# Altium PCB JTAG-批量下载V06.PcbDoc (part 3 of 13)
Units mil, origin at the board's own origin, x right, y up, seen from the top; angles counter-clockwise.
Board outline 6380 x 5290 mil, 2 copper layers (Top Layer, Bottom Layer); 190 components, 238 nets, 1050 pads, 459 vias.
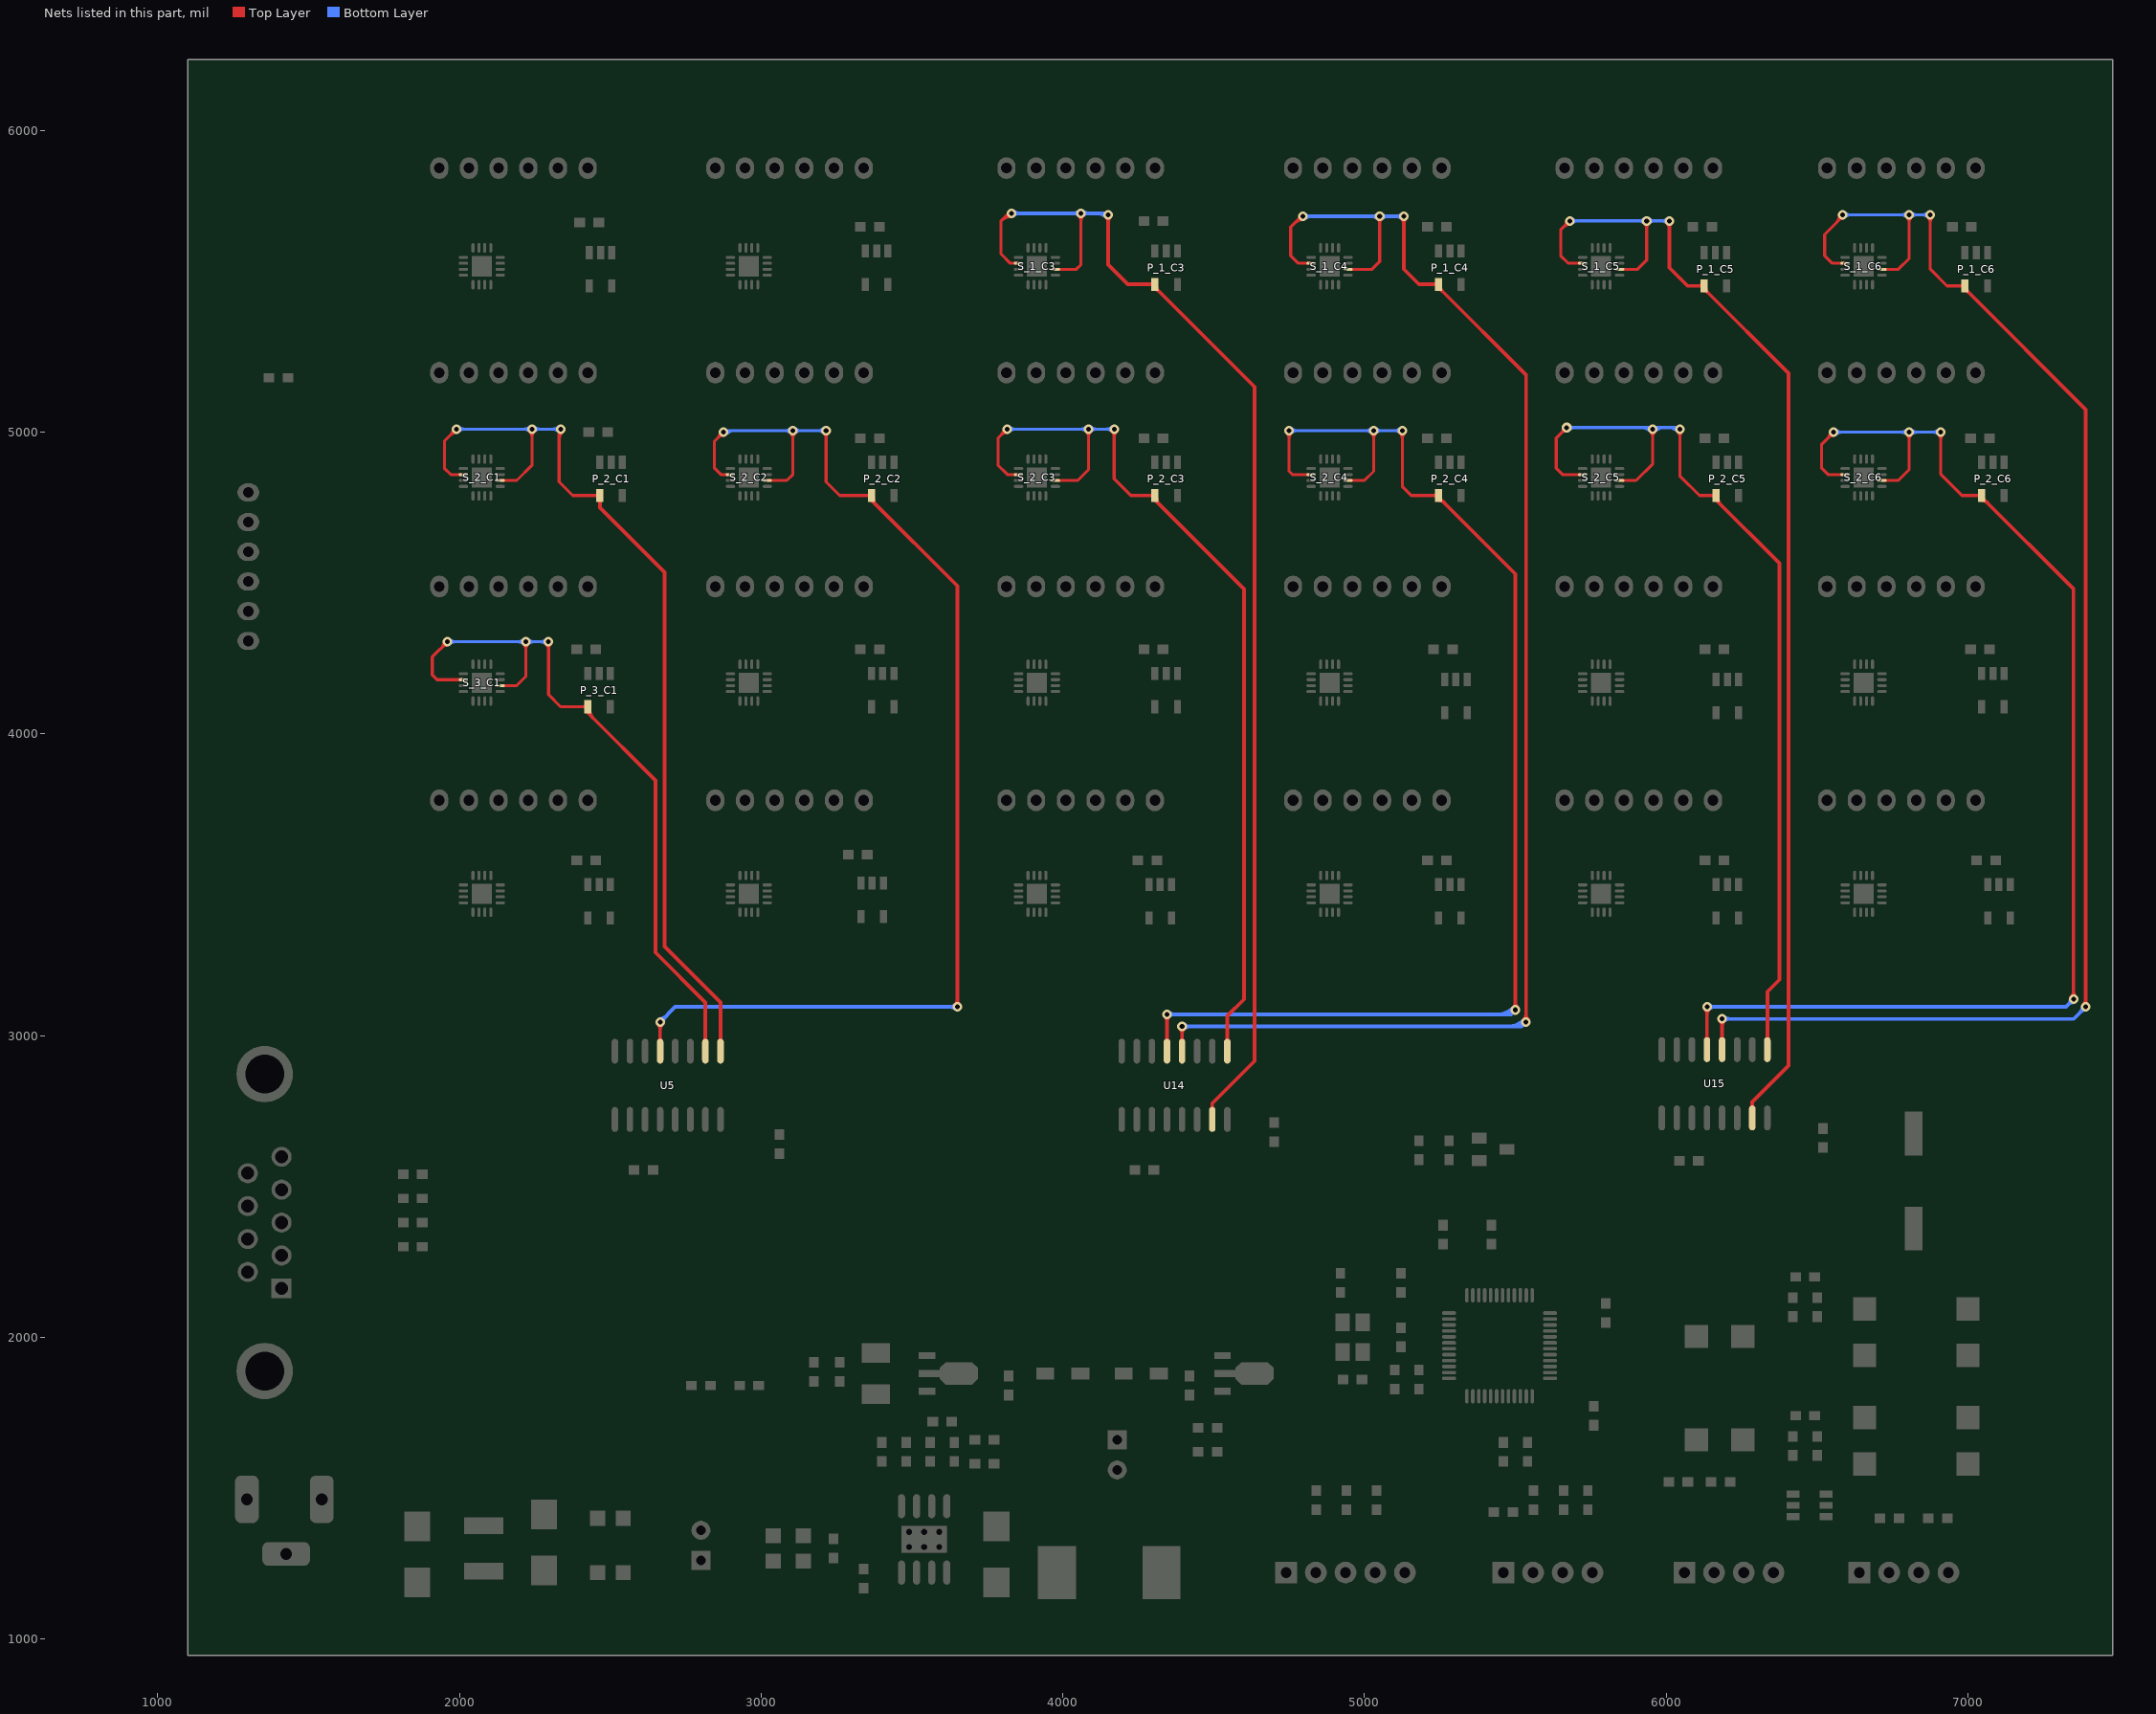
[diagram p3: the nets of this part, all layers, seen from the top]

## Via types
v1: diameter 32, hole 16, Top Layer to Bottom Layer, 347 vias
v2: diameter 50, hole 28, Top Layer to Bottom Layer, 63 vias
v3: diameter 40, hole 20, Top Layer to Bottom Layer, 49 vias

## Nets (pads, with @x,y where several pads share a name; then routed paths per layer and width w, separated by ;. In a path a pad name is that pad's centre, name@x,y a point inside that pad or via, vN(x,y) a via of type N, cw(c..) or ccw(c..) an arc to the next point about the centre after c; other vN are vias at no path point) (continued)
EN_1_C3: P_1_C3.4 S_1_C3.2 S_1_C3.10 U14.15 | length 5147.2
  Top Layer w10: v1@3830,5735 3795,5700 3795,5590 3825.63,5559.37 S_1_C3.10@3852.95,5559.37 ; S_1_C3.2@3975,5539.69 4044.68,5539.69 4060,5555 v1(4060,5725) ; 3794.15,5699.15 cw(c3830,5663.3) v1@3830,5714 ; 3794.15,5699.15 cw(c3830,5663.3) v1@3830,5714 ; 3794.15,5699.15 cw(c3830,5663.3) v1@3830,5714 ; 3811.22,5716.22 cw(c3830,5697.44) v1@3830,5724 ; 3811.22,5716.22 cw(c3830,5697.44) v1@3830,5724 ; 3811.22,5716.22 cw(c3830,5697.44) v1@3830,5724 ; v1@4052.22,5717.22 cw(c4033.44,5698.44) 4060,5698.44 ; v1@4052.22,5717.22 cw(c4033.44,5698.44) 4060,5698.44 ; v1@4052.22,5717.22 cw(c4033.44,5698.44) 4060,5698.44 ; 4060,5698.44 cw(c4086.56,5698.44) v1@4067.78,5717.22 ; 4060,5698.44 cw(c4086.56,5698.44) v1@4067.78,5717.22 ; 4060,5698.44 cw(c4086.56,5698.44) v1@4067.78,5717.22
  Top Layer w12: v1(4150,5720) 4150,5555 4215.24,5489.76 P_1_C3.4@4305.2,5489.76 4305.2,5479.8 4635,5150 4635,2915 4495,2775 U14.15@4495,2705 ; v1@4142.93,5712.93 cw(c4125.86,5695.86) 4150,5695.86 ; v1@4142.93,5712.93 cw(c4125.86,5695.86) 4150,5695.86 ; v1@4142.93,5712.93 cw(c4125.86,5695.86) 4150,5695.86 ; 4150,5695.86 cw(c4174.14,5695.86) v1@4157.07,5712.93 ; 4150,5695.86 cw(c4174.14,5695.86) v1@4157.07,5712.93 ; 4150,5695.86 cw(c4174.14,5695.86) v1@4157.07,5712.93 ; 4291.17,5489.76 ccw(c4291.17,5503.79) P_1_C3.4@4301.09,5493.87 ; 4291.17,5489.76 cw(c4291.17,5475.73) P_1_C3.4@4301.09,5485.65 ; 4291.17,5489.76 ccw(c4291.17,5503.79) P_1_C3.4@4301.09,5493.87 ; 4291.17,5489.76 cw(c4291.17,5475.73) P_1_C3.4@4301.09,5485.65 ; 4291.17,5489.76 ccw(c4291.17,5503.79) P_1_C3.4@4301.09,5493.87 ; 4291.17,5489.76 cw(c4291.17,5475.73) P_1_C3.4@4301.09,5485.65 ; P_1_C3.4@4305.2,5474.11 cw(c4305.2,5460.37) P_1_C3.4@4314.92,5470.08 ; P_1_C3.4@4305.2,5474.11 cw(c4305.2,5460.37) P_1_C3.4@4314.92,5470.08 ; P_1_C3.4@4305.2,5474.11 cw(c4305.2,5460.37) P_1_C3.4@4314.92,5470.08 ; P_1_C3.4@4311.01,5479.92 ccw(c4325.32,5479.92) P_1_C3.4@4315.2,5469.8 ; P_1_C3.4@4311.01,5479.92 ccw(c4325.32,5479.92) P_1_C3.4@4315.2,5469.8 ; P_1_C3.4@4311.01,5479.92 ccw(c4325.32,5479.92) P_1_C3.4@4315.2,5469.8 ; U14.15@4491.59,2755.74 ccw(c4483.35,2763.98) 4495,2763.98 ; U14.15@4491.59,2755.74 ccw(c4483.35,2763.98) 4495,2763.98 ; U14.15@4491.59,2755.74 ccw(c4483.35,2763.98) 4495,2763.98 ; 4495,2763.98 ccw(c4506.65,2763.98) U14.15@4498.41,2755.74 ; 4495,2763.98 ccw(c4506.65,2763.98) U14.15@4498.41,2755.74 ; 4495,2763.98 ccw(c4506.65,2763.98) U14.15@4498.41,2755.74
  Bottom Layer w12: v1(3830,5725) v1@4145,5725 ; v1@3837.07,5717.93 cw(c3854.14,5700.86) 3854.14,5725 ; v1@3837.07,5717.93 cw(c3854.14,5700.86) 3854.14,5725 ; v1@3837.07,5717.93 cw(c3854.14,5700.86) 3854.14,5725 ; v1@3837.07,5732.07 ccw(c3854.14,5749.14) 3854.14,5725 ; v1@3837.07,5732.07 ccw(c3854.14,5749.14) 3854.14,5725 ; v1@3837.07,5732.07 ccw(c3854.14,5749.14) 3854.14,5725 ; 4035.86,5725 ccw(c4035.86,5749.14) v1@4052.93,5732.07 ; 4035.86,5725 cw(c4035.86,5700.86) v1@4052.93,5717.93 ; 4035.86,5725 ccw(c4035.86,5749.14) v1@4052.93,5732.07 ; 4035.86,5725 cw(c4035.86,5700.86) v1@4052.93,5717.93 ; 4035.86,5725 ccw(c4035.86,5749.14) v1@4052.93,5732.07 ; 4035.86,5725 cw(c4035.86,5700.86) v1@4052.93,5717.93 ; v1@4067.07,5717.93 cw(c4084.14,5700.86) 4084.14,5725 ; v1@4067.07,5717.93 cw(c4084.14,5700.86) 4084.14,5725 ; v1@4067.07,5717.93 cw(c4084.14,5700.86) 4084.14,5725 ; v1@4067.07,5732.07 ccw(c4084.14,5749.14) 4084.14,5725 ; v1@4067.07,5732.07 ccw(c4084.14,5749.14) 4084.14,5725 ; v1@4067.07,5732.07 ccw(c4084.14,5749.14) 4084.14,5725 ; 4113.79,5725 cw(c4113.79,5683.79) 4142.93,5712.93 ccw(c4113.79,5683.79) 4113.79,5725
EN_1_C4: P_1_C4.4 S_1_C4.2 S_1_C4.10 U14.4 | length 6568.9
  Top Layer w10: v1@4795,5720 4755,5680 4755,5585 4780.63,5559.37 S_1_C4.10@4822.95,5559.37 ; S_1_C4.2@4945,5539.69 5024.69,5539.69 5050,5565 v1(5050,5715) ; 4767.69,5692.69 cw(c4795,5665.37) v1@4795,5704 ; 4767.69,5692.69 cw(c4795,5665.37) v1@4795,5704 ; 4767.69,5692.69 cw(c4795,5665.37) v1@4795,5704 ; 4779.76,5704.76 ccw(c4769.51,5715) v1@4784,5715 ; 4779.76,5704.76 ccw(c4769.51,5715) v1@4784,5715 ; 4779.76,5704.76 ccw(c4769.51,5715) v1@4784,5715 ; v1@5042.22,5707.22 cw(c5023.44,5688.44) 5050,5688.44 ; v1@5042.22,5707.22 cw(c5023.44,5688.44) 5050,5688.44 ; v1@5042.22,5707.22 cw(c5023.44,5688.44) 5050,5688.44 ; 5050,5688.44 cw(c5076.56,5688.44) v1@5057.78,5707.22 ; 5050,5688.44 cw(c5076.56,5688.44) v1@5057.78,5707.22 ; 5050,5688.44 cw(c5076.56,5688.44) v1@5057.78,5707.22
  Top Layer w12: U14.4@4395,2948.19 v1(4395,3030) ; v1(5130,5715) 5130,5540 5180.24,5489.76 P_1_C4.4@5245.2,5489.76 5245.2,5479.8 5535,5190 v1(5535,3045) ; v1@4387.93,3022.93 cw(c4370.86,3005.86) 4395,3005.86 ; v1@4387.93,3022.93 cw(c4370.86,3005.86) 4395,3005.86 ; v1@4387.93,3022.93 cw(c4370.86,3005.86) 4395,3005.86 ; U14.4@4391.59,2982.11 ccw(c4383.35,2990.35) 4395,2990.35 ; U14.4@4391.59,2982.11 ccw(c4383.35,2990.35) 4395,2990.35 ; U14.4@4391.59,2982.11 ccw(c4383.35,2990.35) 4395,2990.35 ; 4395,2990.35 ccw(c4406.65,2990.35) U14.4@4398.41,2982.11 ; 4395,2990.35 ccw(c4406.65,2990.35) U14.4@4398.41,2982.11 ; 4395,2990.35 ccw(c4406.65,2990.35) U14.4@4398.41,2982.11 ; 4395,3005.86 cw(c4419.14,3005.86) v1@4402.07,3022.93 ; 4395,3005.86 cw(c4419.14,3005.86) v1@4402.07,3022.93 ; 4395,3005.86 cw(c4419.14,3005.86) v1@4402.07,3022.93 ; v1@5122.93,5707.93 cw(c5105.86,5690.86) 5130,5690.86 ; v1@5122.93,5707.93 cw(c5105.86,5690.86) 5130,5690.86 ; v1@5122.93,5707.93 cw(c5105.86,5690.86) 5130,5690.86 ; 5130,5690.86 cw(c5154.14,5690.86) v1@5137.07,5707.93 ; 5130,5690.86 cw(c5154.14,5690.86) v1@5137.07,5707.93 ; 5130,5690.86 cw(c5154.14,5690.86) v1@5137.07,5707.93 ; 5231.17,5489.76 ccw(c5231.17,5503.79) P_1_C4.4@5241.09,5493.87 ; 5231.17,5489.76 cw(c5231.17,5475.73) P_1_C4.4@5241.09,5485.65 ; 5231.17,5489.76 ccw(c5231.17,5503.79) P_1_C4.4@5241.09,5493.87 ; 5231.17,5489.76 cw(c5231.17,5475.73) P_1_C4.4@5241.09,5485.65 ; 5231.17,5489.76 ccw(c5231.17,5503.79) P_1_C4.4@5241.09,5493.87 ; 5231.17,5489.76 cw(c5231.17,5475.73) P_1_C4.4@5241.09,5485.65 ; P_1_C4.4@5245.2,5474.11 cw(c5245.2,5460.37) P_1_C4.4@5254.92,5470.08 ; P_1_C4.4@5245.2,5474.11 cw(c5245.2,5460.37) P_1_C4.4@5254.92,5470.08 ; P_1_C4.4@5245.2,5474.11 cw(c5245.2,5460.37) P_1_C4.4@5254.92,5470.08 ; P_1_C4.4@5251.01,5479.92 ccw(c5265.32,5479.92) P_1_C4.4@5255.2,5469.8 ; P_1_C4.4@5251.01,5479.92 ccw(c5265.32,5479.92) P_1_C4.4@5255.2,5469.8 ; P_1_C4.4@5251.01,5479.92 ccw(c5265.32,5479.92) P_1_C4.4@5255.2,5469.8 ; v1@5527.93,3052.07 ccw(c5510.86,3069.14) 5535,3069.14 ; v1@5527.93,3052.07 ccw(c5510.86,3069.14) 5535,3069.14 ; v1@5527.93,3052.07 ccw(c5510.86,3069.14) 5535,3069.14 ; 5535,3069.14 ccw(c5559.14,3069.14) v1@5542.07,3052.07 ; 5535,3069.14 ccw(c5559.14,3069.14) v1@5542.07,3052.07 ; 5535,3069.14 ccw(c5559.14,3069.14) v1@5542.07,3052.07
  Bottom Layer w12: v1(4395,3030) 5520,3030 v1(5535,3045) ; v1(4795,5715) v1(5130,5715) ; v1@4402.07,3022.93 cw(c4419.14,3005.86) 4419.14,3030 ; v1@4402.07,3022.93 cw(c4419.14,3005.86) 4419.14,3030 ; v1@4402.07,3022.93 cw(c4419.14,3005.86) 4419.14,3030 ; v1@4402.07,3037.07 ccw(c4419.14,3054.14) 4419.14,3030 ; v1@4402.07,3037.07 ccw(c4419.14,3054.14) 4419.14,3030 ; v1@4402.07,3037.07 ccw(c4419.14,3054.14) 4419.14,3030 ; v1@4802.07,5707.93 cw(c4819.14,5690.86) 4819.14,5715 ; v1@4802.07,5707.93 cw(c4819.14,5690.86) 4819.14,5715 ; v1@4802.07,5707.93 cw(c4819.14,5690.86) 4819.14,5715 ; v1@4802.07,5722.07 ccw(c4819.14,5739.14) 4819.14,5715 ; v1@4802.07,5722.07 ccw(c4819.14,5739.14) 4819.14,5715 ; v1@4802.07,5722.07 ccw(c4819.14,5739.14) 4819.14,5715 ; 5025.86,5715 ccw(c5025.86,5739.14) v1@5042.93,5722.07 ; 5025.86,5715 cw(c5025.86,5690.86) v1@5042.93,5707.93 ; 5025.86,5715 ccw(c5025.86,5739.14) v1@5042.93,5722.07 ; 5025.86,5715 cw(c5025.86,5690.86) v1@5042.93,5707.93 ; 5025.86,5715 ccw(c5025.86,5739.14) v1@5042.93,5722.07 ; 5025.86,5715 cw(c5025.86,5690.86) v1@5042.93,5707.93 ; v1@5057.07,5707.93 cw(c5074.14,5690.86) 5074.14,5715 ; v1@5057.07,5707.93 cw(c5074.14,5690.86) 5074.14,5715 ; v1@5057.07,5707.93 cw(c5074.14,5690.86) 5074.14,5715 ; v1@5057.07,5722.07 ccw(c5074.14,5739.14) 5074.14,5715 ; v1@5057.07,5722.07 ccw(c5074.14,5739.14) 5074.14,5715 ; v1@5057.07,5722.07 ccw(c5074.14,5739.14) 5074.14,5715 ; 5105.86,5715 ccw(c5105.86,5739.14) v1@5122.93,5722.07 ; 5105.86,5715 cw(c5105.86,5690.86) v1@5122.93,5707.93 ; 5105.86,5715 ccw(c5105.86,5739.14) v1@5122.93,5722.07 ; 5105.86,5715 cw(c5105.86,5690.86) v1@5122.93,5707.93 ; 5105.86,5715 ccw(c5105.86,5739.14) v1@5122.93,5722.07 ; 5105.86,5715 cw(c5105.86,5690.86) v1@5122.93,5707.93 ; 5474.64,3030 ccw(c5474.64,3105.36) v1@5527.93,3052.07 ; 5474.64,3030 ccw(c5474.64,3105.36) v1@5527.93,3052.07 ; 5474.64,3030 ccw(c5474.64,3105.36) v1@5527.93,3052.07 ; 5503.62,3030 ccw(c5503.62,3076.38) v1@5536.41,3043.59 ; 5503.62,3030 ccw(c5503.62,3076.38) v1@5536.41,3043.59 ; 5503.62,3030 ccw(c5503.62,3076.38) v1@5536.41,3043.59
EN_1_C5: P_1_C5.4 S_1_C5.2 S_1_C5.10 U15.15 | length 4899
  Top Layer w10: v1(5680,5700) 5650,5670 5650,5585 5675.63,5559.37 S_1_C5.10@5722.95,5559.37 ; S_1_C5.2@5845,5539.69 5904.69,5539.69 5935,5570 v1(5935,5700) ; 5661.22,5681.22 ccw(c5642.44,5700) v1@5669,5700 ; 5661.22,5681.22 cw(c5680,5662.44) v1@5680,5689 ; 5661.22,5681.22 ccw(c5642.44,5700) v1@5669,5700 ; 5661.22,5681.22 cw(c5680,5662.44) v1@5680,5689 ; 5661.22,5681.22 ccw(c5642.44,5700) v1@5669,5700 ; 5661.22,5681.22 cw(c5680,5662.44) v1@5680,5689 ; v1@5927.22,5692.22 cw(c5908.44,5673.44) 5935,5673.44 ; v1@5927.22,5692.22 cw(c5908.44,5673.44) 5935,5673.44 ; v1@5927.22,5692.22 cw(c5908.44,5673.44) 5935,5673.44 ; 5935,5673.44 cw(c5961.56,5673.44) v1@5942.78,5692.22 ; 5935,5673.44 cw(c5961.56,5673.44) v1@5942.78,5692.22 ; 5935,5673.44 cw(c5961.56,5673.44) v1@5942.78,5692.22
  Top Layer w12: v1(6010,5700) 6010,5545 6070.24,5484.76 P_1_C5.4@6125.2,5484.76 6125.2,5474.8 6405,5195 6405,2900 6285,2780 U15.15@6285,2705 ; v1@6002.93,5692.93 cw(c5985.86,5675.86) 6010,5675.86 ; v1@6002.93,5692.93 cw(c5985.86,5675.86) 6010,5675.86 ; v1@6002.93,5692.93 cw(c5985.86,5675.86) 6010,5675.86 ; 6010,5675.86 cw(c6034.14,5675.86) v1@6017.07,5692.93 ; 6010,5675.86 cw(c6034.14,5675.86) v1@6017.07,5692.93 ; 6010,5675.86 cw(c6034.14,5675.86) v1@6017.07,5692.93 ; 6111.17,5484.76 ccw(c6111.17,5498.79) P_1_C5.4@6121.09,5488.87 ; 6111.17,5484.76 cw(c6111.17,5470.73) P_1_C5.4@6121.09,5480.65 ; 6111.17,5484.76 ccw(c6111.17,5498.79) P_1_C5.4@6121.09,5488.87 ; 6111.17,5484.76 cw(c6111.17,5470.73) P_1_C5.4@6121.09,5480.65 ; 6111.17,5484.76 ccw(c6111.17,5498.79) P_1_C5.4@6121.09,5488.87 ; 6111.17,5484.76 cw(c6111.17,5470.73) P_1_C5.4@6121.09,5480.65 ; P_1_C5.4@6125.2,5469.11 cw(c6125.2,5455.37) P_1_C5.4@6134.92,5465.08 ; P_1_C5.4@6125.2,5469.11 cw(c6125.2,5455.37) P_1_C5.4@6134.92,5465.08 ; P_1_C5.4@6125.2,5469.11 cw(c6125.2,5455.37) P_1_C5.4@6134.92,5465.08 ; P_1_C5.4@6131.01,5474.92 ccw(c6145.32,5474.92) P_1_C5.4@6135.2,5464.8 ; P_1_C5.4@6131.01,5474.92 ccw(c6145.32,5474.92) P_1_C5.4@6135.2,5464.8 ; P_1_C5.4@6131.01,5474.92 ccw(c6145.32,5474.92) P_1_C5.4@6135.2,5464.8 ; U15.15@6281.59,2760.74 ccw(c6273.35,2768.98) 6285,2768.98 ; U15.15@6281.59,2760.74 ccw(c6273.35,2768.98) 6285,2768.98 ; U15.15@6281.59,2760.74 ccw(c6273.35,2768.98) 6285,2768.98 ; 6285,2768.98 ccw(c6296.65,2768.98) U15.15@6288.41,2760.74 ; 6285,2768.98 ccw(c6296.65,2768.98) U15.15@6288.41,2760.74 ; 6285,2768.98 ccw(c6296.65,2768.98) U15.15@6288.41,2760.74
  Bottom Layer w10: v1(5680,5700) v1(6010,5700) ; 5706.56,5700 ccw(c5706.56,5673.44) 5687.78,5692.22 cw(c5706.56,5673.44) 5706.56,5700 ; 5706.56,5700 cw(c5706.56,5726.56) 5687.78,5707.78 ccw(c5706.56,5726.56) 5706.56,5700 ; 5908.44,5700 ccw(c5908.44,5726.56) 5927.22,5707.78 cw(c5908.44,5726.56) 5908.44,5700 ; 5908.44,5700 cw(c5908.44,5673.44) 5927.22,5692.22 ccw(c5908.44,5673.44) 5908.44,5700 ; 5961.56,5700 ccw(c5961.56,5673.44) 5942.78,5692.22 cw(c5961.56,5673.44) 5961.56,5700 ; 5961.56,5700 cw(c5961.56,5726.56) 5942.78,5707.78 ccw(c5961.56,5726.56) 5961.56,5700 ; 5983.44,5700 ccw(c5983.44,5726.56) 6002.22,5707.78 cw(c5983.44,5726.56) 5983.44,5700 ; 5983.44,5700 cw(c5983.44,5673.44) 6002.22,5692.22 ccw(c5983.44,5673.44) 5983.44,5700
EN_1_C6: P_1_C6.4 S_1_C6.2 S_1_C6.10 U15.4 | length 6336.1
  Top Layer w10: v1@6587.5,5717.5 6525,5655 6525,5585 6550.63,5559.37 S_1_C6.10@6592.95,5559.37 ; S_1_C6.2@6715,5539.69 6769.69,5539.69 6805,5575 v1(6805,5720) ; v1(6875,5720) 6875,5540 6930.24,5484.76 P_1_C6.4@6990.2,5484.76 ; 6562.69,5692.69 ccw(c6535.37,5720) v1@6574,5720 ; 6562.69,5692.69 ccw(c6535.37,5720) v1@6574,5720 ; 6562.69,5692.69 ccw(c6535.37,5720) v1@6574,5720 ; 6574.76,5704.76 cw(c6585,5694.51) v1@6585,5709 ; 6574.76,5704.76 cw(c6585,5694.51) v1@6585,5709 ; 6574.76,5704.76 cw(c6585,5694.51) v1@6585,5709 ; v1@6797.22,5712.22 cw(c6778.44,5693.44) 6805,5693.44 ; v1@6797.22,5712.22 cw(c6778.44,5693.44) 6805,5693.44 ; v1@6797.22,5712.22 cw(c6778.44,5693.44) 6805,5693.44 ; 6805,5693.44 cw(c6831.56,5693.44) v1@6812.78,5712.22 ; 6805,5693.44 cw(c6831.56,5693.44) v1@6812.78,5712.22 ; 6805,5693.44 cw(c6831.56,5693.44) v1@6812.78,5712.22 ; v1@6867.22,5712.22 cw(c6848.44,5693.44) 6875,5693.44 ; v1@6867.22,5712.22 cw(c6848.44,5693.44) 6875,5693.44 ; v1@6867.22,5712.22 cw(c6848.44,5693.44) 6875,5693.44 ; 6875,5693.44 cw(c6901.56,5693.44) v1@6882.78,5712.22 ; 6875,5693.44 cw(c6901.56,5693.44) v1@6882.78,5712.22 ; 6875,5693.44 cw(c6901.56,5693.44) v1@6882.78,5712.22 ; 6973.75,5484.76 ccw(c6973.75,5501.21) P_1_C6.4@6985.38,5489.58 ; 6973.75,5484.76 cw(c6973.75,5468.32) P_1_C6.4@6985.38,5479.95 ; 6973.75,5484.76 ccw(c6973.75,5501.21) P_1_C6.4@6985.38,5489.58 ; 6973.75,5484.76 cw(c6973.75,5468.32) P_1_C6.4@6985.38,5479.95 ; 6973.75,5484.76 ccw(c6973.75,5501.21) P_1_C6.4@6985.38,5489.58 ; 6973.75,5484.76 cw(c6973.75,5468.32) P_1_C6.4@6985.38,5479.95
  Top Layer w12: U15.4@6185,2953.19 v1(6185,3055) ; P_1_C6.4@6990.2,5484.76 6990.2,5474.8 7390,5075 v1(7390,3095) ; v1@6177.93,3047.93 cw(c6160.86,3030.86) 6185,3030.86 ; v1@6177.93,3047.93 cw(c6160.86,3030.86) 6185,3030.86 ; v1@6177.93,3047.93 cw(c6160.86,3030.86) 6185,3030.86 ; U15.4@6181.59,2987.11 ccw(c6173.35,2995.35) 6185,2995.35 ; U15.4@6181.59,2987.11 ccw(c6173.35,2995.35) 6185,2995.35 ; U15.4@6181.59,2987.11 ccw(c6173.35,2995.35) 6185,2995.35 ; 6185,2995.35 ccw(c6196.65,2995.35) U15.4@6188.41,2987.11 ; 6185,2995.35 ccw(c6196.65,2995.35) U15.4@6188.41,2987.11 ; 6185,2995.35 ccw(c6196.65,2995.35) U15.4@6188.41,2987.11 ; 6185,3030.86 cw(c6209.14,3030.86) v1@6192.07,3047.93 ; 6185,3030.86 cw(c6209.14,3030.86) v1@6192.07,3047.93 ; 6185,3030.86 cw(c6209.14,3030.86) v1@6192.07,3047.93 ; P_1_C6.4@6990.2,5469.11 cw(c6990.2,5455.37) P_1_C6.4@6999.92,5465.08 ; P_1_C6.4@6990.2,5469.11 cw(c6990.2,5455.37) P_1_C6.4@6999.92,5465.08 ; P_1_C6.4@6990.2,5469.11 cw(c6990.2,5455.37) P_1_C6.4@6999.92,5465.08 ; P_1_C6.4@6996.01,5474.92 ccw(c7010.32,5474.92) P_1_C6.4@7000.2,5464.8 ; P_1_C6.4@6996.01,5474.92 ccw(c7010.32,5474.92) P_1_C6.4@7000.2,5464.8 ; P_1_C6.4@6996.01,5474.92 ccw(c7010.32,5474.92) P_1_C6.4@7000.2,5464.8 ; v1@7382.93,3102.07 ccw(c7365.86,3119.14) 7390,3119.14 ; v1@7382.93,3102.07 ccw(c7365.86,3119.14) 7390,3119.14 ; v1@7382.93,3102.07 ccw(c7365.86,3119.14) 7390,3119.14 ; 7390,3119.14 ccw(c7414.14,3119.14) v1@7397.07,3102.07 ; 7390,3119.14 ccw(c7414.14,3119.14) v1@7397.07,3102.07 ; 7390,3119.14 ccw(c7414.14,3119.14) v1@7397.07,3102.07
  Bottom Layer w10: v1(6585,5720) v1(6875,5720) ; 6611.56,5720 ccw(c6611.56,5693.44) 6592.78,5712.22 cw(c6611.56,5693.44) 6611.56,5720 ; 6611.56,5720 cw(c6611.56,5746.56) 6592.78,5727.78 ccw(c6611.56,5746.56) 6611.56,5720 ; 6778.44,5720 ccw(c6778.44,5746.56) 6797.22,5727.78 cw(c6778.44,5746.56) 6778.44,5720 ; 6778.44,5720 cw(c6778.44,5693.44) 6797.22,5712.22 ccw(c6778.44,5693.44) 6778.44,5720 ; 6831.56,5720 ccw(c6831.56,5693.44) 6812.78,5712.22 cw(c6831.56,5693.44) 6831.56,5720 ; 6831.56,5720 cw(c6831.56,5746.56) 6812.78,5727.78 ccw(c6831.56,5746.56) 6831.56,5720 ; 6848.44,5720 ccw(c6848.44,5746.56) 6867.22,5727.78 cw(c6848.44,5746.56) 6848.44,5720 ; 6848.44,5720 cw(c6848.44,5693.44) 6867.22,5712.22 ccw(c6848.44,5693.44) 6848.44,5720
  Bottom Layer w12: v1(6185,3055) 7350,3055 v1(7390,3095) ; v1@6192.07,3047.93 cw(c6209.14,3030.86) 6209.14,3055 ; v1@6192.07,3047.93 cw(c6209.14,3030.86) 6209.14,3055 ; v1@6192.07,3047.93 cw(c6209.14,3030.86) 6209.14,3055 ; v1@6192.07,3062.07 ccw(c6209.14,3079.14) 6209.14,3055 ; v1@6192.07,3062.07 ccw(c6209.14,3079.14) 6209.14,3055 ; v1@6192.07,3062.07 ccw(c6209.14,3079.14) 6209.14,3055 ; 7372.93,3077.93 ccw(c7355.86,3095) v1@7380,3095 ; 7372.93,3077.93 cw(c7390,3060.86) v1@7390,3085 ; 7372.93,3077.93 ccw(c7355.86,3095) v1@7380,3095 ; 7372.93,3077.93 cw(c7390,3060.86) v1@7390,3085 ; 7372.93,3077.93 ccw(c7355.86,3095) v1@7380,3095 ; 7372.93,3077.93 cw(c7390,3060.86) v1@7390,3085
EN_2_C1: P_2_C1.4 S_2_C1.2 S_2_C1.10 U5.1 | length 4025.3
  Top Layer w10: v1(1990,5010) 1950,4970 1950,4880 1970.63,4859.37 S_2_C1.10@2012.95,4859.37 ; S_2_C1.2@2135,4839.69 2189.68,4839.69 2240,4890 v1(2240,5010) ; v1@2330,5005 2330,4835 2375.24,4789.76 P_2_C1.4@2465.2,4789.76 ; 1971.22,4991.22 ccw(c1952.44,5010) v1@1979,5010 ; 1971.22,4991.22 cw(c1990,4972.44) v1@1990,4999 ; 1971.22,4991.22 ccw(c1952.44,5010) v1@1979,5010 ; 1971.22,4991.22 cw(c1990,4972.44) v1@1990,4999 ; 1971.22,4991.22 ccw(c1952.44,5010) v1@1979,5010 ; 1971.22,4991.22 cw(c1990,4972.44) v1@1990,4999 ; v1@2232.22,5002.22 cw(c2213.44,4983.44) 2240,4983.44 ; v1@2232.22,5002.22 cw(c2213.44,4983.44) 2240,4983.44 ; v1@2232.22,5002.22 cw(c2213.44,4983.44) 2240,4983.44 ; 2240,4983.44 cw(c2266.56,4983.44) v1@2247.78,5002.22 ; 2240,4983.44 cw(c2266.56,4983.44) v1@2247.78,5002.22 ; 2240,4983.44 cw(c2266.56,4983.44) v1@2247.78,5002.22 ; 2330,4971.37 cw(c2373.63,4971.37) v1@2342.78,5002.22 ; 2330,4971.37 cw(c2373.63,4971.37) v1@2342.78,5002.22 ; 2330,4971.37 cw(c2373.63,4971.37) v1@2342.78,5002.22 ; 2448.75,4789.76 ccw(c2448.75,4806.21) P_2_C1.4@2460.38,4794.58 ; 2448.75,4789.76 cw(c2448.75,4773.32) P_2_C1.4@2460.38,4784.95 ; 2448.75,4789.76 ccw(c2448.75,4806.21) P_2_C1.4@2460.38,4794.58 ; 2448.75,4789.76 cw(c2448.75,4773.32) P_2_C1.4@2460.38,4784.95 ; 2448.75,4789.76 ccw(c2448.75,4806.21) P_2_C1.4@2460.38,4794.58 ; 2448.75,4789.76 cw(c2448.75,4773.32) P_2_C1.4@2460.38,4784.95